# Altium PCB BLDC_Motor_Controller - Copy.PcbDoc
Units mil, origin at the board's own origin, x right, y up, seen from the top; angles counter-clockwise.
Board outline 3153.96 x 1567.66 mil, 4 copper layers (Top Layer, Layer 1, Layer 2, Bottom Layer), stack 23.756 mil thick; 65 components, 57 nets, 208 pads, 12 vias.
Unrouted connection lines stored in the file: 75.
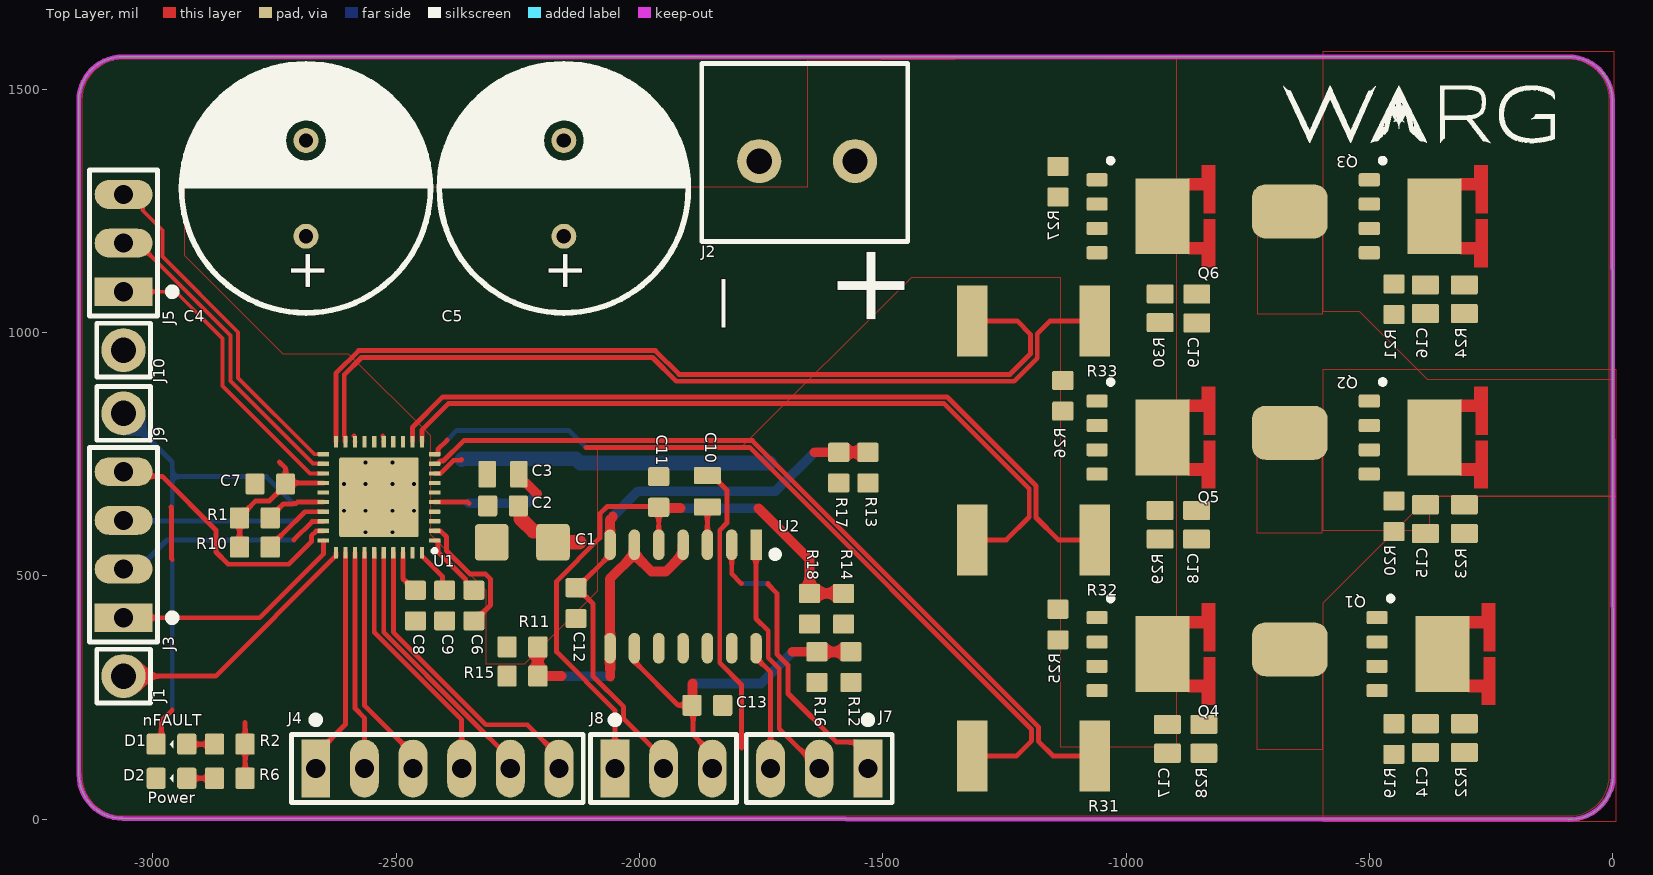
[diagram p0: Top Layer view]
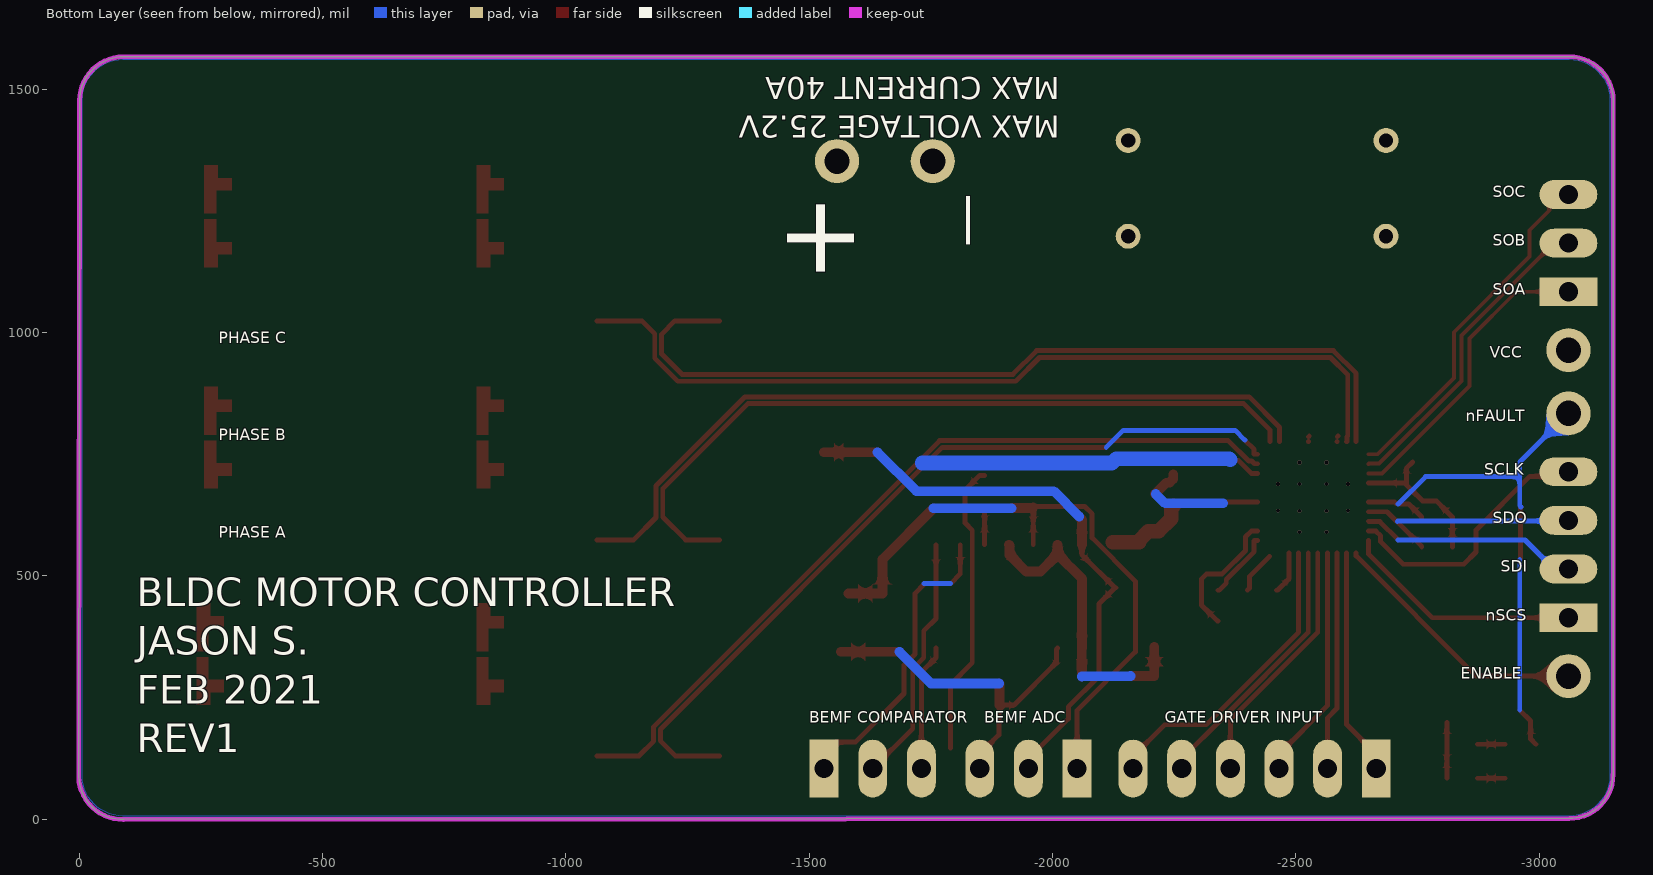
[diagram p1: Bottom Layer view, seen from below]
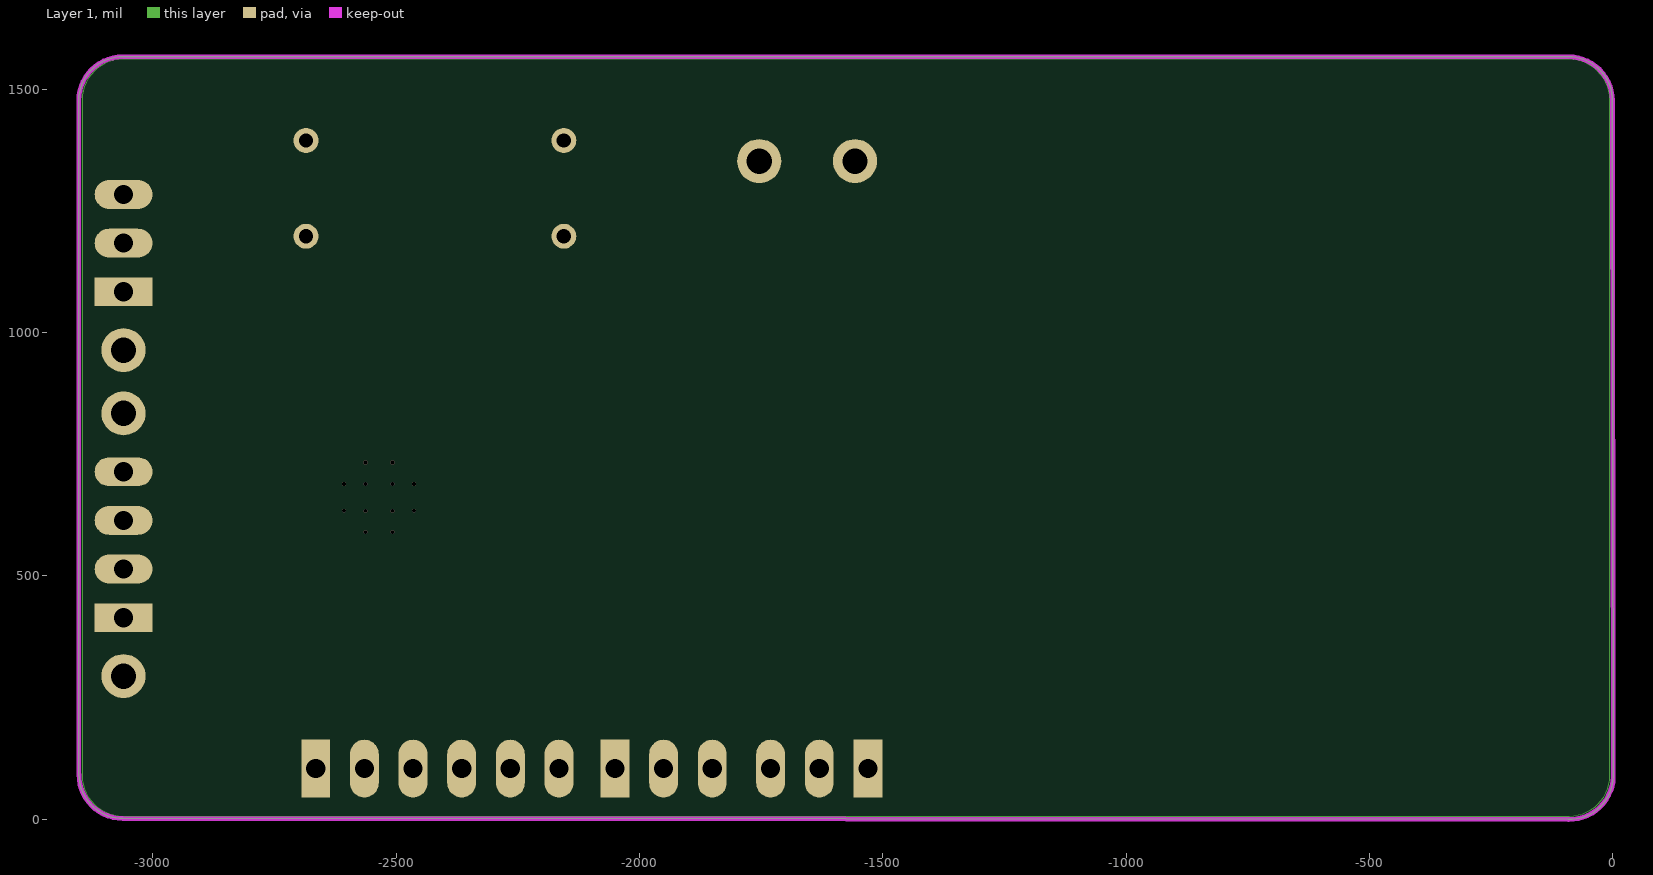
[diagram p2: Layer 1]
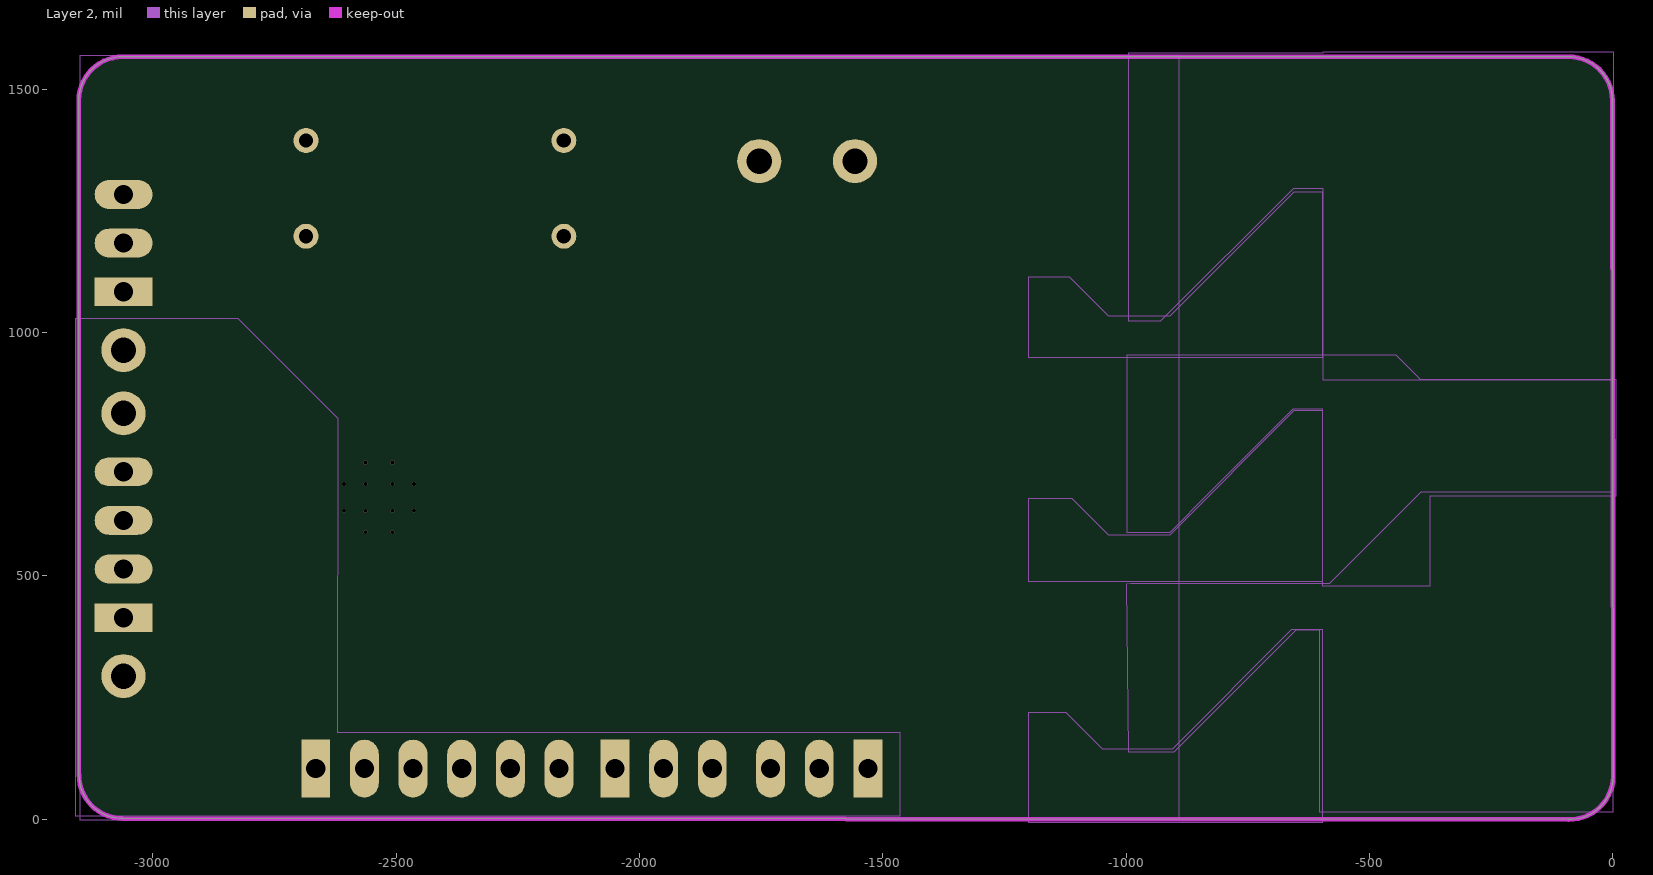
[diagram p3: Layer 2]

## Layer stack, top to bottom
Top Solder: solder mask 0.4, Solder Resist, Dk 3.5
Top Layer: signal copper 1.4
Dielectric 2: prepreg 2.8, PP-006, Dk 4.1
Layer 1: signal copper 1.378
Dielectric 1: dielectric 12.6, FR-4, Dk 4.8
Layer 2: signal copper 1.378
Dielectric 3: prepreg 2.8, PP-006, Dk 4.1
Bottom Layer: signal copper 1.4
Bottom Solder: solder mask 0.4, Solder Resist, Dk 3.5

## Board outline
-3152.52,91.77 -3152.52,1476.82 cw(c-3062.52,1476.97) -3062.38,1566.97 -3062.38,1566.89 -90.32,1566.89 cw(c-90.31,1476.89) -0.31,1476.82 1.44,87.1 cw(c-88.53,89.29) -90.34,-0.69 -3062.13,1.38 cw(c-3062.13,91.38)

## Design rules (kind name [scope] priority, off if disabled: settings)
BoardOutlineClearance [All] p1: gap=7.87 ignorepadtopadclearanceinfootprint=FALSE
Clearance [All] p1: gap=4 ignorepadtopadclearanceinfootprint=FALSE except(5: Arc-THPad Track-THPad SMDPad-THPad THPad-THPad Via-Via Via-Fill Via-Poly Via-Region Via-Text; 10: Arc-Hole Track-Hole SMDPad-Hole THPad-Hole Via-Hole Fill-Hole Poly-Hole Region-Hole Text-Hole)
MinimumSolderMaskSliver [All] p1: minsoldermaskwidth=0
PlaneClearance [All] p1: clearance=4
PlaneConnect PlaneConnect_to_Shunt [(InComponent('r31') AND InComponent('r32') AND InComponent('r33'))] p2: planeconnectstyle=Direct reliefexpansion=11.81 reliefentries=4 reliefconductorwidth=4 reliefairgap=4
PolygonConnect [All] p1: thpad.connectstyle=Relief thpad.reliefconductorwidth=4 thpad.reliefentries=4 thpad.polygonreliefangle="90 Angle" thpad.airgapwidth=4 smdpad.connectstyle=Relief smdpad.reliefconductorwidth=4 smdpad.reliefentries=4 smdpad.polygonreliefangle="90 Angle" smdpad.airgapwidth=4 via.connectstyle=Direct via.reliefconductorwidth=4 via.reliefentries=4 via.polygonreliefangle="90 Angle" via.airgapwidth=4
RoutingVias [All] p1: holewidth=28 width=50 viastyle="Through Hole" minholewidth=28 minwidth=50 maxholewidth=28 maxwidth=50
SilkToSilkClearance [All] p1: silktosilkclearance=0
SilkToSolderMaskClearance [IsPad] p1: minsilkscreentomaskgap=4 clearancetoexposedcopper=TRUE
SolderMaskExpansion [All] p1: expansion=4 istentingtop=FALSE
Width Width_4 [InNet('NetR9_2') OR InNet('NetR7_2') OR InNet('NetR4_2')] p1: maxlimit=50 minlimit=10 preferedwidth=30
Width Width_POWER [InNet('VBUS') or InNet('GND')] p2: maxlimit=160 minlimit=10 preferedwidth=10
Width Width_3 [InNet('VBUS')] p3: maxlimit=100 minlimit=10 preferedwidth=50 midlayer1_maxwidth=10 midlayer1_prefwidth=10 midlayer2_maxwidth=10 midlayer2_prefwidth=10 minimp=50.000000 maximp=50.000000 favimp=50.000000
Width Width_2 [InNet('NetJ4_1', 'NetJ4_2','NetJ4_3','NetJ4_4','NetJ4_5', 'NetJ4_6')] p4: maxlimit=10 minlimit=8 preferedwidth=10 midlayer1_minwidth=10 midlayer2_minwidth=10 minimp=50.000000 maximp=50.000000 favimp=50.000000
Width Width_1 [InNet('NetQ1_2' , 'NetQ6_3' , 'NetQ6_2' , 'NetQ5_3' , 'NetQ5_2' , 'NetQ4_3' , 'NetQ4_2' , 'NetQ3_2' , 'NetQ2_2',  'NetC14_1', 'NetC15_1', 'NetC16_1','NetC17_1','NetC18_1','NetC19_1', 'NetC14_2', 'NetC15_2', 'NetC16_2', 'COMP_A', 'COMP_B', 'COMP_C', 'NetR11_1', 'NetR8_2', 'NetR5_2', 'NetR3_2', 'NetC3_1')] p5: maxlimit=50 minlimit=8 preferedwidth=40 minimp=50.000000 maximp=50.000000 favimp=50.000000
Width [All] p6: maxlimit=10 minlimit=8 preferedwidth=10
26 further rules are at their usual default settings.

## Classes and differential pairs
component class Three_Phase_Inverter: C14 C15 C16 C17 C18 C19 Q1 Q2 Q3 Q4 Q5 Q6 R19 R20 R21 R22 R23 R24 R25 R26 R27 R28 R29 R30 R31 R32 R33
component class Gate_Driver_Connectors: J1 J2 J3 J4 J5 J7 J8 J9 J10 R10
component class DRV8353FS: C1 C2 C3 C4 C5 C6 C7 C8 C9 D1 D2 R1 R2 R6 U1
component class BEMF_Sensing: C10 C11 C12 C13 R11 R12 R13 R14 R15 R16 R17 R18 U2

## Components (designator, comment, footprint, x,y, rotation, side; value= is the part's Value field where it differs from the comment)
C1 "CAP_10uF_50V_1206" CAP1206 -2240.75,568.98 r180 top value=10uF
C2 "CAP_0.1uF_50V_0603" CAP0603 -2280.47,643.98 r180 top value=0.1uF
C3 "CAP_1uF_50V_0805" CAP0805 -2280.47,708.98 r180 top value=1uF
C4 "CAP_470uF_50V_TH_RUBYCON" CAP_470uF_TH -2685.43,1296.42 r90 top
C5 "CAP_470uF_50V_TH_RUBYCON" CAP_470uF_TH -2155.43,1296.42 r90 top
C6 "CAP_47nF_50V_0603" CAP0603 -2340.47,438.98 r90 top
C7 "CAP_0.1uF_25V_0603" CAP0603 -2758.98,688.98 r0 top
C8 "CAP_1uF_25V_0603" CAP0603 -2460.47,438.98 r90 top
C9 "CAP_1uF_25V_0603" CAP0603 -2400.47,438.98 r90 top
C10 "CAP_1uF_50V_0805" CAP0805 -1860.47,673.98 r90 top value=1uF
C11 "CAP_1nF_50V_0603" CAP0603 -1960.47,672.48 r270 top
C12 "CAP_1nF_50V_0603" CAP0603 -2130.47,443.98 r90 top
C13 "CAP_1nF_50V_0603" CAP0603 -1860.47,233.98 r180 top
C14 "EMPTY PART FOR RC SNUBBER CIRCUIT" RES/CAP_OVERSIZED -384.57,166.57 r90 top
C15 "EMPTY PART FOR RC SNUBBER CIRCUIT" RES/CAP_OVERSIZED -384.57,616.57 r90 top
C16 "EMPTY PART FOR RC SNUBBER CIRCUIT" RES/CAP_OVERSIZED -384.57,1068.54 r90 top
C17 "EMPTY PART FOR RC SNUBBER CIRCUIT" RES/CAP_OVERSIZED -915,165 r90 top
C18 "EMPTY PART FOR RC SNUBBER CIRCUIT" RES/CAP_OVERSIZED -855,605 r90 top
C19 "EMPTY PART FOR RC SNUBBER CIRCUIT" RES/CAP_OVERSIZED -854.57,1049.61 r90 top
D1 "LED_RED_2V_0603" LED0603 -2961.97,153.98 r180 top
D2 "LED_GREEN_2.1V_0603" LED0603 -2961.97,83.98 r180 top
J1 "CON_1X1_2.54MM_MALE_TH_HDR" HDR_MALE_1X1 -3060.47,293.98 r270 top
J2 "CON_2POS_SCREW_TERM" 1935161 -1655.43,1352.48 r180 top
J3 "CON_4X1_2.54MM_MALE_TH_HDR" 0022032041 -3060.47,413.98 r90 top
J4 "CON_6X1_2.54MM_MALE_TH_HDR" 0022284060 -2415.47,103.98 r0 top
J5 "CON_3X1_2.54MM_MALE_TH_HDR" 0022102031 -3060.47,1083.98 r90 top
J7 "CON_3X1_2.54MM_MALE_TH_HDR" 0022102031 -1530.47,103.98 r180 top
J8 "CON_3X1_2.54MM_MALE_TH_HDR" 0022102031 -2050.47,103.98 r0 top
J9 "CON_1X1_2.54MM_MALE_TH_HDR" HDR_MALE_1X1 -3060.47,833.98 r0 top
J10 "CON_1X1_2.54MM_MALE_TH_HDR" HDR_MALE_1X1 -3060.47,963.98 r0 top
Q1 "SIJ438DP-T1-GE3" NMOS_PPAK_SO8 -483.86,414.13 r270 top
Q2 "SIJ438DP-T1-GE3" NMOS_PPAK_SO8 -500,859.13 r270 top
Q3 "SIJ438DP-T1-GE3" NMOS_PPAK_SO8 -500,1314.13 r270 top
Q4 "SIJ438DP-T1-GE3" NMOS_PPAK_SO8 -1059.33,414.13 r270 top
Q5 "SIJ438DP-T1-GE3" NMOS_PPAK_SO8 -1059.33,859.13 r270 top
Q6 "SIJ438DP-T1-GE3" NMOS_PPAK_SO8 -1059.33,1314.13 r270 top
R1 "RES_10kΩ_0603_1%" RES0603 -2790.47,618.98 r180 top value=10kΩ
R2 "RES_2.61kΩ_0603_1%" RES0603 -2841.97,153.98 r0 top
R6 "RES_2.4kΩ_0603_1%" RES0603 -2841.97,83.98 r0 top value=2.4kΩ
R10 "RES_10kΩ_0603_1%" RES0603 -2790.47,558.98 r180 top value=10kΩ
R11 "RES_150kΩ_0603_1%" RES0603 -2240.47,353.98 r180 top
R12 "RES_150kΩ_0603_1%" RES0603 -1565.47,312.48 r270 top
R13 "RES_150kΩ_0603_1%" RES0603 -1530.47,722.48 r270 top
R14 "RES_150kΩ_0603_1%" RES0603 -1580.47,432.48 r270 top
R15 "RES_4.02Ω_0603_5%" RES0603 -2240.47,293.98 r0 top
R16 "RES_10kΩ_0603_1%" RES0603 -1635.47,312.48 r90 top value=10kΩ
R17 "RES_10kΩ_0603_1%" RES0603 -1590.47,722.48 r90 top value=10kΩ
R18 "RES_10kΩ_0603_1%" RES0603 -1650.47,432.48 r90 top value=10kΩ
R19 "RES_4.7Ω_0603_5%" RES0603 -449.53,164.61 r90 top
R20 "RES_4.7Ω_0603_5%" RES0603 -449.53,622.48 r90 top
R21 "RES_4.7Ω_0603_5%" RES0603 -449.53,1068.54 r90 top
R22 "RES_OVERSIZED" RES/CAP_OVERSIZED -304.57,166.57 r270 top
R23 "RES_OVERSIZED" RES/CAP_OVERSIZED -304.57,616.57 r270 top
R24 "RES_OVERSIZED" RES/CAP_OVERSIZED -304.57,1068.54 r270 top
R25 "RES_4.7Ω_0603_5%" RES0603 -1140,400 r270 top
R26 "RES_4.7Ω_0603_5%" RES0603 -1130,870 r270 top
R27 "RES_4.7Ω_0603_5%" RES0603 -1140,1310 r270 top
R28 "RES_OVERSIZED" RES/CAP_OVERSIZED -840,165 r270 top
R29 "RES_OVERSIZED" RES/CAP_OVERSIZED -930,605 r270 top
R30 "RES_OVERSIZED" RES/CAP_OVERSIZED -930,1050 r270 top
R31 "RES_2512" RES_SHUNT_2512 -1190,130 r0 top
R32 "RES_2512" RES_SHUNT_2512 -1190,573.98 r0 top
R33 "RES_2512" RES_SHUNT_2512 -1190,1023.98 r0 top
U1 "DRV8353FSRTAR" DRV8353FS -2535.43,661.42 r180 top
U2 "LM2901MX" "COMPARATOR_SOP14 - duplicate" -1910.47,457.68 r270 top

## Footprints (in the part's own frame and the unit in brackets; to place one, negate y for a bottom-side part, rotate by r counter-clockwise, add the part's x,y. Pads: shape width x height; smd on the part's side, far side on the other; paste and mask are expansions set on the pad)
1935161 [mm] "TERM BLK 2POS SIDE ENTRY 5MM PCB"
  round 2.3 hole 1.325: 1(-2.5,0) 2(2.5,0)
  silkscreen extent -5.25,-5.1 5.5,4.2, body extent -5.07,-4.94 5.33,4.06, height 11.41
0022032041 [mm] "Male 4 Pin Hdr Unshrouded"
  rect 1.508x3.016 hole 1: 1(0,0)
  oval 1.508x3.016 hole 1: 2(2.54,0) 3(5.08,0) 4(7.62,0)
  silkscreen extent -1.27,-2.67 8.89,1.78, body extent -1.14,-1.17 8.76,1.17, height 10.8
0022102031 [mm] "3 Pin Male Header"
  rect 1.508x3.016 hole 1: 1(0,0)
  oval 1.508x3.016 hole 1: 2(2.54,0) 3(5.08,0)
  silkscreen extent -1.27,-2.67 6.35,1.78, body extent -1.14,-1.17 6.22,1.17, height 10.8
0022284060 [mm] "6 Pin Male Header"
  rect 1.508x3.016 hole 1: 1(-6.35,0)
  oval 1.508x3.016 hole 1: 2(-3.81,0) 3(-1.27,0) 4(1.27,0) 5(3.81,0) 6(6.35,0)
  silkscreen extent -7.62,-1.78 7.62,2.67, body extent -7.62,-1.24 7.62,1.24, height 8.39
CAP0603 [mm] "Ceramic Capacitor 0603"
  rrect20% 1x1.1 smd: 1(-0.8,0) 2(0.8,0)
  body extent -0.87,-0.48 0.88,0.48, height 0.87
CAP0805 [mm] "Ceramic Capacitor 0805"
  rrect15% 0.9x1.4 smd: 1(-0.825,0) 2(0.825,0)
  body extent -1.1,-0.73 1.1,0.73, height 1.39
CAP1206 [mm] "Ceramic Capacitor 1206"
  rrect20% 1.75x1.9 smd: 1(-1.6,0) 2(1.6,0)
  body extent -1.7,-0.9 1.7,0.9, height 0.88
CAP_470uF_TH [mm]
  round 1.3 hole 0.75: 1(-2.5,0) 2(2.5,0)
  silkscreen extent -6.5,-6.5 6.5,6.5, body extent -6.25,-6.25 6.26,6.25, height 20.03
"COMPARATOR_SOP14 - duplicate" [mm]
  rect 1.6x0.6 smd: 1(-2.7,3.81)
  oval 1.6x0.6 smd: 2(-2.7,2.54) 3(-2.7,1.27) 4(-2.7,0) 5(-2.7,-1.27) 6(-2.7,-2.54) 7(-2.7,-3.81) 8(2.7,-3.81) 9(2.7,-2.54) 10(2.7,-1.27) 11(2.7,0) 12(2.7,1.27) 13(2.7,2.54) 14(2.7,3.81)
  silkscreen extent -2.3,4.71 -2.1,4.91, body extent -3,-4.33 3,4.33, height 1.76
DRV8353FS [mm]
  rect 0.6x0.22 smd: 1(-2.9,2.25)
  rrect15% 0.6x0.22 smd: 2(-2.9,1.75) 3(-2.9,1.25) 4(-2.9,0.75) 5(-2.9,0.25) 6(-2.9,-0.25) 7(-2.9,-0.75) 8(-2.9,-1.25) 9(-2.9,-1.75) 10(-2.9,-2.25) 21(2.9,-2.25) 22(2.9,-1.75) 23(2.9,-1.25) 24(2.9,-0.75) 25(2.9,-0.25) 26(2.9,0.25) 27(2.9,0.75) 28(2.9,1.25) 29(2.9,1.75) 30(2.9,2.25)
  rrect15% 0.22x0.6 smd: 11(-2.25,-2.9) 12(-1.75,-2.9) 13(-1.25,-2.9) 14(-0.75,-2.9) 15(-0.25,-2.9) 16(0.25,-2.9) 17(0.75,-2.9) 18(1.25,-2.9) 19(1.75,-2.9) 20(2.25,-2.9) 31(2.25,2.9) 32(1.75,2.9) 33(1.25,2.9) 34(0.75,2.9) 35(0.25,2.9) 36(-0.25,2.9) 37(-0.75,2.9) 38(-1.25,2.9) 39(-1.75,2.9) 40(-2.25,2.9)
  rrect4% 4.15x4.15 smd paste-2539.97: 41(0,0)
  silkscreen extent -2.98,2.73 -2.83,2.87, body extent -3,-3 3,3, height 0.91
HDR_MALE_1X1 [mm] "CON_1X1_2.54MM_MALE_TH_HDR"
  round 2.3 hole 1.325: 1(0,0)
  silkscreen extent -1.4,-1.4 1.4,1.4, body extent -1.27,-1.27 1.27,1.27, height 10.63
LED0603 [mm] "Generic LED in 0603 package"
  rrect20% 1x1.1 smd: 1(-0.8,0) 2(0.8,0)
  silkscreen extent -0.1,-0.2 0.1,0.2, body extent -0.81,-0.4 0.81,0.4, height 0.6
NMOS_PPAK_SO8 [mm]
  rect 3.96x2.82 smd mask+0.102: 1(1.905,3.4)
  rrect25% 0.68x1.1 smd: 2(0,0) 3(1.27,0) 3(2.54,0) 3(3.81,0)
  Top Layer region: 3.255,6.178 3.256,6.178 4.556,6.178 4.556,5.468 4.555,5.467 3.671,5.467 3.571,5.568
  Top Layer region: 2.055,5.568 3.255,5.568 3.255,6.178 2.055,6.178
  Top Layer region: 3.255,6.178 3.865,5.568 3.255,5.568
  Top Layer region: 0.556,6.178 0.555,6.178 -0.745,6.178 -0.745,5.468 -0.744,5.468 0.14,5.468 0.24,5.568
  Top Layer region: 0.555,6.178 -0.055,5.568 0.555,5.568
  Top Layer region: 0.555,5.568 1.755,5.568 1.755,6.178 0.555,6.178
  Top Layer region: 3.255,4.75 3.886,4.75 3.886,5.568 3.255,5.568
  Top Layer region: -0.075,4.75 0.555,4.75 0.555,5.568 -0.075,5.568
  silkscreen extent -1.1,0.6 -0.9,0.8, body extent -0.65,-0.05 4.46,6.1, height 1.08
RES0603 [mm] "SMT Resistor 0603"
  rrect15% 1x1.1 smd: 1(-0.8,0) 2(0.8,0)
  body extent -0.8,-0.4 0.8,0.4, height 0.46
RES/CAP_OVERSIZED [mm]
  rrect15% 1x1.4 smd: 1(-0.75,0) 2(0.75,0)
RES_SHUNT_2512 [mm]
  rect 1.6x3.7 smd: 1(-3.2,0) 2(3.2,0)
  body extent -3.17,-1.63 3.17,1.63, height 0.59

## Part data
C1: library part CAP_10uF_50V_1206_MURATA, "CAP CER 10UF 50V X5R ±20% 1206", Manufacturer 1="Murata Electronics", Manufacturer Part Number 1=GRT31CR61H106ME01L, Package=1206, Supplier Part Number 1=490-12457-1-ND, Temperature Coefficient=X5R, Tolerance=±20%, Voltage=50V, Mounting Type="Surface Mount", Supplier 1=Digi-Key
C2: library part CAP_0.1uF_50V_0603_KEMET, "CAP CER 0.1UF 50V X7R ±10% 0603", LCSC Part #=C129621, Manufacturer 1=KEMET, Manufacturer Part Number 1=C0603C104K5RACAUTO, Package=0603, Temperature Coefficient=X7R, Tolerance=±10%, Voltage=50V, Mounting Type="Surface Mount", Supplier 1=LCSC, Supplier Part Number 1=C129621
C3 C10: library part CAP_1uF_50V_0805_MURATA, "CAP CER 1UF 50V X7R ±10% 0805", Manufacturer 1="Murata Electronics", Manufacturer Part Number 1=GCJ21BR71H105KA01L, Package=0805, Supplier Part Number 1=490-10667-1-ND, Temperature Coefficient=X7R, Tolerance=±10%, Voltage=50V, Mounting Type="Surface Mount", Supplier 1=Digi-Key
C4 C5: "Cap Aluminum Lytic 470uF 50V 20% (12.5 X 20mm) Radial 5mm 2050mA 10000h 105C Bulk", Capacitance=470uF, Case/Package=Radial, Dielectric Material=Aluminium, Leakage Current=3uA, Manufacturer=Rubycon, Manufacturer Part Number=50ZLH470MEFC12.5X20, Max Operating Temperature=105°C, Min Operating Temperature=-40°C, Package Quantity=1000, Ripple Current=2.05A, Supplier Part Number 1=1189-2329-ND, Tolerance=20%, Voltage=50V, Category="Aluminum Electrolytic Capacitors", ComponentLink1Description=https://datasheet.ciiva.com/11779/0900766b80e2f602-11779305.pdf?src-supplier=RSComponents, ComponentLink1URL=https://datasheet.ciiva.com/11779/0900766b80e2f602-11779305.pdf?src-supplier=RSComponents, ComponentLink2Description=https://datasheet.ciiva.com/11691/e-zlh-11691461.pdf?src-supplier=Avnet, ComponentLink2URL=https://datasheet.ciiva.com/11691/e-zlh-11691461.pdf?src-supplier=Avnet, ComponentLink3Description=https://datasheet.ciiva.com/41805/e-zlh-41805238.pdf?src-supplier=Digi-Key, ComponentLink3URL=https://datasheet.ciiva.com/41805/e-zlh-41805238.pdf?src-supplier=Digi-Key, ComponentLink4Description=https://datasheet.ciiva.com/16318/e-zlh-16318269.pdf?src-supplier=Future+Electronics, ComponentLink4URL=https://datasheet.ciiva.com/16318/e-zlh-16318269.pdf?src-supplier=Future+Electronics, ComponentLink5Description=https://datasheet.ciiva.com/7976/50911-7976058.pdf?src-supplier=Element14, ComponentLink5URL=https://datasheet.ciiva.com/7976/50911-7976058.pdf?src-supplier=Element14, Construction=RADIAL, Diameter=12.5mm, Height=20mm, Height - Seated (Max)=0.866inch, Impedance=27mR, Lead Diameter=0.6mm, Lead Free="Lead Free", Lead Pitch=5mm, Life (Hours)=10000Hour, Mount="Through Hole", Number of Pins=2, Packaging=Bulk, Polarity=Polar, Pricing 1="1=0.94000, 10=0.68900, 50=0.55120, 100=0.47250, 500=0.37408, 1000=0.31501, 2500=0.29532, 5000=0.27563 (USD)", Radiation Hardening=No, REACH SVHC=Unknown, Ripple Current (AC)=2.05A, RoHS=Yes, RoHS Compliant=Yes, Series=ZLH, Stock 1=12794, Supplier 1=Digi-Key, Termination=Radial, Voltage Rating=50V, Voltage Rating (DC)=50V
C6: "CAP CER 47nF 50V X7R ±10% 0603", Capacitance=47nF, Case Code (Imperial)=0603, Case Code (Metric)=1608, Dielectric=X7R, Dielectric Material=Ceramic, Manufacturer=KEMET, Manufacturer Part Number=C0603C473K5RACTU, Max Operating Temperature=125°C, Min Operating Temperature=-55°C, Package Quantity=1, Supplier Part Number 1=399-C0603C473K5RAC7867CT-ND, Tolerance=10%, Voltage=50V, Case/Package=0603, Category="Ceramic Capacitors", ComponentLink1Description=https://datasheet.ciiva.com/6074/1776093-6074329.pdf?src-supplier=Farnell, ComponentLink1URL=https://datasheet.ciiva.com/6074/1776093-6074329.pdf?src-supplier=Farnell, ComponentLink2Description=https://datasheet.ciiva.com/28682/1851736-28682298.pdf?src-supplier=Element14, ComponentLink2URL=https://datasheet.ciiva.com/28682/1851736-28682298.pdf?src-supplier=Element14, ComponentLink3Description=https://datasheet.ciiva.com/18193/getdatasheetpartid-94279-18193115.pdf?src-supplier=Verical, ComponentLink3URL=https://datasheet.ciiva.com/18193/getdatasheetpartid-94279-18193115.pdf?src-supplier=Verical, ComponentLink4Description=https://datasheet.ciiva.com/7823/1776093-7823803.pdf?src-supplier=Element14, ComponentLink4URL=https://datasheet.ciiva.com/7823/1776093-7823803.pdf?src-supplier=Element14, ComponentLink5Description=https://datasheet.ciiva.com/7823/1776093-7823804.pdf?src-supplier=Element14, ComponentLink5URL=https://datasheet.ciiva.com/7823/1776093-7823804.pdf?src-supplier=Element14, Construction=Flat, Depth=0.8mm, Dissipation Factor=2.5%, Height=0.8mm, Lead Pitch=0.7mm, Length=1.6mm, Mount="Surface Mount,PCB", Number of Pins=2, Packaging="Tape and Reel", Pricing 1="1=0.10000, 10=0.07100, 50=0.03860, 100=0.03160, 500=0.02254, 1000=0.01771 (USD)", Radiation Hardening=No, REACH SVHC="No SVHC", RoHS=Yes, RoHS Compliant=Yes, Series=C, Stock 1=1778528, Supplier 1=Digi-Key, Termination=SMD/SMT, Thickness=0.034inch, Voltage Rating=50V, Voltage Rating (DC)=50V, Width=0.8mm
C7: "Cap 100NF 25V 0603 SMD 10% X7R (reel)", Capacitance=0.1uF, Case Code (Imperial)=0603, Case Code (Metric)=1608, Dielectric=X7R, Manufacturer=Yageo, Manufacturer Part Number=CC0603KRX7R8BB104, Max Operating Temperature=125°C, Min Operating Temperature=-55°C, Package Quantity=1, Resistor Type=Ceramic, Supplier Part Number 1=311-1341-1-ND, Tolerance=10%, Voltage=25V, Case/Package=0603, Category="Ceramic Capacitors", ComponentLink1Description=https://datasheet.ciiva.com/144/mlccorderingcode-144075.pdf?src-supplier=Digi-Key, ComponentLink1URL=https://datasheet.ciiva.com/144/mlccorderingcode-144075.pdf?src-supplier=Digi-Key, ComponentLink2Description=https://datasheet.ciiva.com/11786/0900766b80c10176-11786120.pdf?src-supplier=RSComponents, ComponentLink2URL=https://datasheet.ciiva.com/11786/0900766b80c10176-11786120.pdf?src-supplier=RSComponents, ComponentLink3Description=https://datasheet.ciiva.com/7978/1489800-7978155.pdf?src-supplier=Element14, ComponentLink3URL=https://datasheet.ciiva.com/7978/1489800-7978155.pdf?src-supplier=Element14, ComponentLink4Description=https://datasheet.ciiva.com/28450/1489800-28450584.pdf?src-supplier=Element14, ComponentLink4URL=https://datasheet.ciiva.com/28450/1489800-28450584.pdf?src-supplier=Element14, ComponentLink5Description=https://datasheet.ciiva.com/144/mlccorderingcode-144074.pdf?src-supplier=Digi-Key, ComponentLink5URL=https://datasheet.ciiva.com/144/mlccorderingcode-144074.pdf?src-supplier=Digi-Key, ComponentLink6Description=https://datasheet.ciiva.com/144/mlccorderingcode-144073.pdf?src-supplier=Digi-Key, ComponentLink6URL=https://datasheet.ciiva.com/144/mlccorderingcode-144073.pdf?src-supplier=Digi-Key, ComponentLink7Description=https://datasheet.ciiva.com/13389/upy-gphc-x7r-6-3v-to-50v-8-13389352.pdf?src-supplier=Mouser, ComponentLink7URL=https://datasheet.ciiva.com/13389/upy-gphc-x7r-6-3v-to-50v-8-13389352.pdf?src-supplier=Mouser, ComponentLink8Description=https://datasheet.ciiva.com/11587/upy-gphc-x7r-6-3v-to-50v-8-11587208.pdf?src-supplier=Avnet, ComponentLink8URL=https://datasheet.ciiva.com/11587/upy-gphc-x7r-6-3v-to-50v-8-11587208.pdf?src-supplier=Avnet, ComponentLink9Description=https://datasheet.ciiva.com/26829/getdatasheetpartid-403577-26829431.pdf?src-supplier=Verical, ComponentLink9URL=https://datasheet.ciiva.com/26829/getdatasheetpartid-403577-26829431.pdf?src-supplier=Verical, ComponentLink10Description=https://datasheet.ciiva.com/17434/upy-gphc-x7r-6-3v-to-50v-8-17434263.pdf?src-supplier=Avnet+Europe, ComponentLink10URL=https://datasheet.ciiva.com/17434/upy-gphc-x7r-6-3v-to-50v-8-17434263.pdf?src-supplier=Avnet+Europe, Depth=0.8mm, Halogen Free="Halogen Free", Height=0.8mm, Lead Free="Lead Free", Length=1.6mm, Mount="Surface Mount", Number of Pins=2, Packaging="Tape and Reel", Pricing 1="1=0.10000, 10=0.04800, 50=0.02600, 100=0.02120, 500=0.01516, 1000=0.01192 (USD)", Radiation Hardening=No, REACH SVHC=Unknown, RoHS=Yes, RoHS Compliant=Yes, Series=CC, Stock 1=4909660, Supplier 1=Digi-Key, Termination=SMD/SMT, Thickness=0.035inch, Voltage Rating=25V, Voltage Rating (DC)=25V, Width=0.8mm
C8 C9: "CAP CER 1UF 25V X7R ±10% 0603", Capacitance=1uF, Case Code (Imperial)=0603, Case Code (Metric)=1608, Dielectric=X7R, Manufacturer=Murata, Manufacturer Part Number=GCM188R71E105KA64D, Max Operating Temperature=125°C, Min Operating Temperature=-55°C, Package Quantity=4000, Ratings=AEC-Q200, Supplier Part Number 1=490-10673-1-ND, Tolerance=10%, Voltage=25V, Case/Package=0603, Category="Ceramic Capacitors", ComponentLink1Description=https://datasheet.ciiva.com/11616/product-11616499.pdf?src-supplier=Avnet, ComponentLink1URL=https://datasheet.ciiva.com/11616/product-11616499.pdf?src-supplier=Avnet, ComponentLink2Description=https://datasheet.ciiva.com/26843/getdatasheetpartid-562446-26843671.pdf?src-supplier=Verical, ComponentLink2URL=https://datasheet.ciiva.com/26843/getdatasheetpartid-562446-26843671.pdf?src-supplier=Verical, ComponentLink3Description=https://datasheet.ciiva.com/11786/0900766b80ef92d0-11786738.pdf?src-supplier=RSComponents, ComponentLink3URL=https://datasheet.ciiva.com/11786/0900766b80ef92d0-11786738.pdf?src-supplier=RSComponents, ComponentLink4Description=https://datasheet.ciiva.com/16624/product-16624556.pdf?src-supplier=Avnet+Europe, ComponentLink4URL=https://datasheet.ciiva.com/16624/product-16624556.pdf?src-supplier=Avnet+Europe, Construction=Flat, Depth=0.8mm, Height=0.8mm, Lead Free="Lead Free", Length=1.6mm, Mount="Surface Mount", Packaging="Tape and Reel", Pricing 1="1=0.26000, 10=0.17800, 50=0.10680, 100=0.09010, 500=0.06166, 1000=0.05455 (USD)", Radiation Hardening=No, REACH SVHC="No SVHC", RoHS=Yes, RoHS Compliant=Yes, Series=GCM, Stock 1=1715922, Supplier 1=Digi-Key, Termination=SMD/SMT, Thickness=0.035inch, Voltage Rating=25V, Voltage Rating (DC)=25V, Weight=0.000222oz, Width=0.031inch